# Altium PCB CBoard.PcbDoc
Units mm, origin at the board's own origin, x right, y up, seen from the top; angles counter-clockwise.
Board outline 90 x 60 mm, 2 copper layers (Top Layer, Bottom Layer); 65 components, 55 nets, 243 pads, 0 vias.
Unrouted connection lines stored in the file: 151.
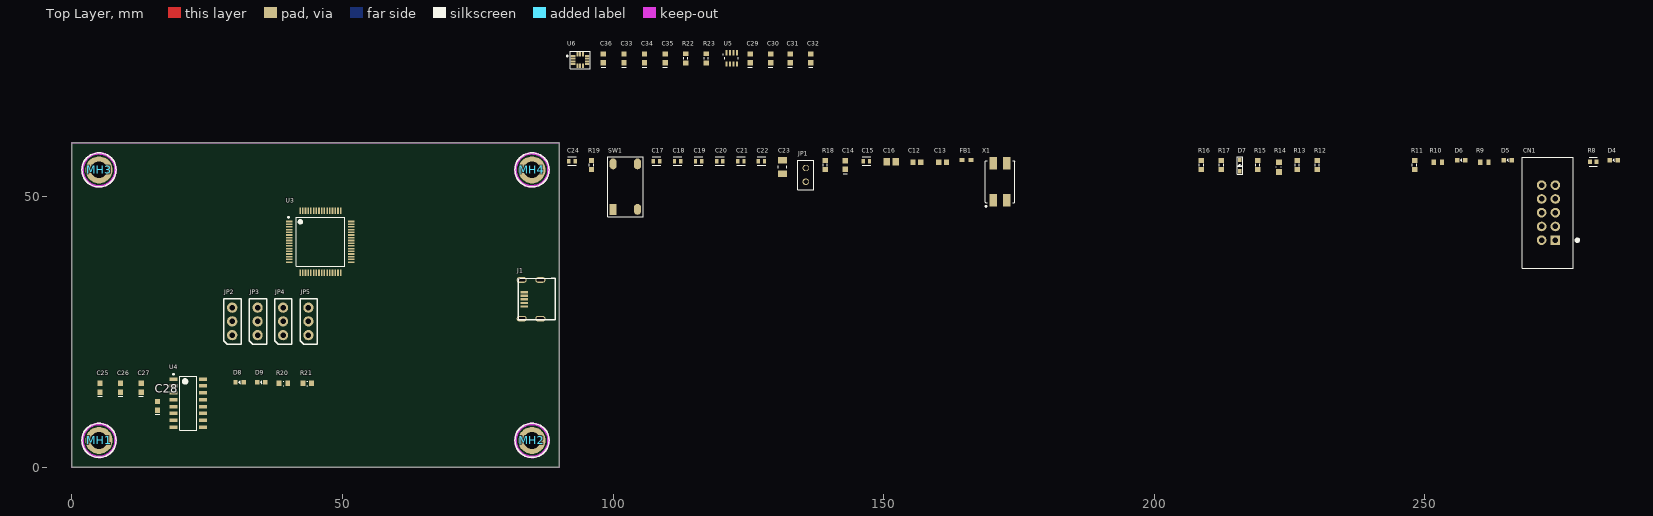
[diagram p0: Top Layer view]
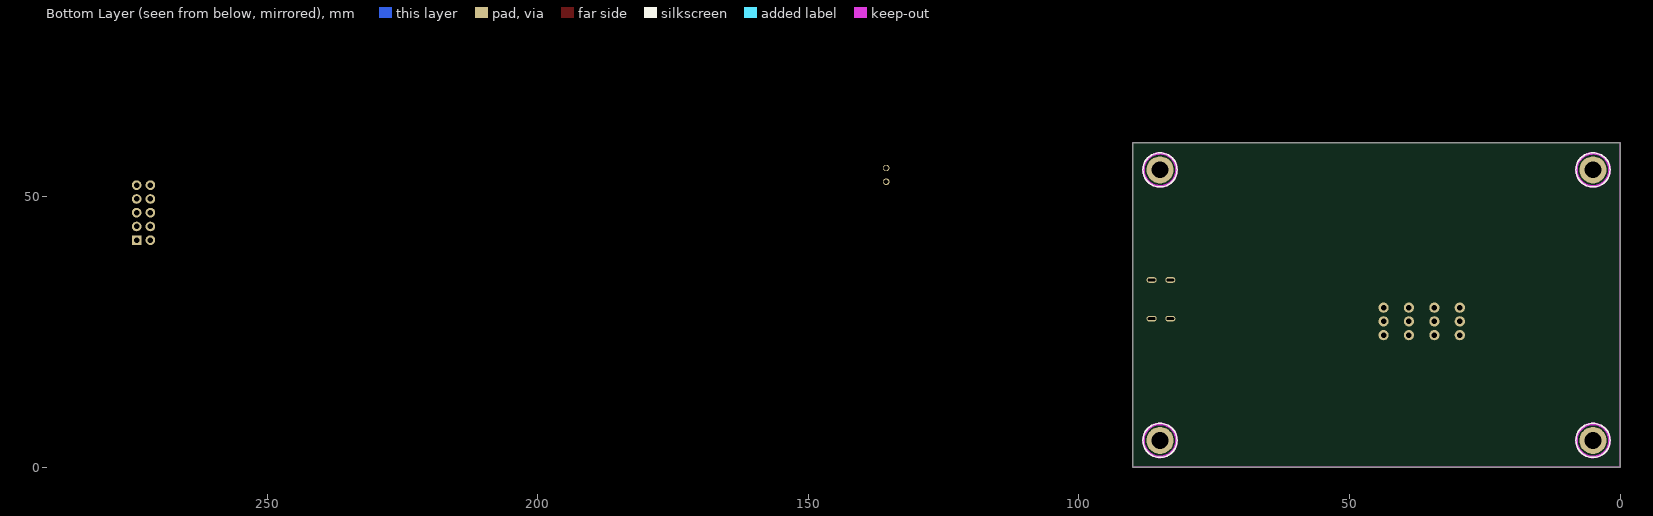
[diagram p1: Bottom Layer view, seen from below]

## Layer stack, top to bottom
Top Solder: solder mask 0.0102, Solder Resist, Dk 3.5
Top Layer: signal copper 0.0356
Dielectric 1: dielectric 0.32, FR-4, Dk 4.8
Bottom Layer: signal copper 0.0356
Bottom Solder: solder mask 0.0102, Solder Resist, Dk 3.5

## Board outline
0,0 90,0 90,60 0,60

## Design rules (kind name [scope] priority, off if disabled: settings)
Clearance [All] p1: gap=0.254 ignorepadtopadclearanceinfootprint=TRUE except(0: Arc-Hole Track-Hole SMDPad-Hole THPad-Hole Via-Hole Fill-Hole Poly-Hole Region-Hole Text-Hole)
PolygonConnect [All] p1: connectstyle=Relief reliefconductorwidth=0.254 reliefentries=4 polygonreliefangle="90 Angle" airgapwidth=0.254
RoomDefinition Sensors [InComponentClass('Sensors')] p1: confinementstyle=ConfineIn formatcopy=TRUE lockcomponents=FALSE outline 91.1,72.7 138.4,72.7 138.4,79.1 91.1,79.1
RoomDefinition External [InComponentClass('External')] p2: confinementstyle=ConfineIn formatcopy=TRUE lockcomponents=FALSE outline 91.1,116 115.1,116 115.1,133 91.1,133
RoomDefinition Communication [InComponentClass('Communication')] p3: confinementstyle=ConfineIn formatcopy=TRUE lockcomponents=FALSE outline 91.1,104.1 141.8,104.1 141.8,114.7 91.1,114.7
RoomDefinition Micro [InComponentClass('Micro')] p4: confinementstyle=ConfineIn formatcopy=TRUE lockcomponents=FALSE outline 91.1,36.6 286.399,36.6 286.399,59.4 91.1,59.4
RoutingVias [All] p1: holewidth=0.711 width=1.27 viastyle="Through Hole" minholewidth=0.711 minwidth=1.27 maxholewidth=0.711 maxwidth=1.27
SolderMaskExpansion [All] p1: expansion=0.102 istentingtop=FALSE
Width [All] p1: maxlimit=0.254 minlimit=0.254 preferedwidth=0.254
30 further rules are at their usual default settings.

## Classes and differential pairs
net class Motor_Reset[1..4]: Motor_Reset1 Motor_Reset2 Motor_Reset3 Motor_Reset4
net class Motor_Alert[1..4]: Motor_Alert1 Motor_Alert2 Motor_Alert3 Motor_Alert4
net class Motor_ADC[1..4]: Motor_ADC1 Motor_ADC2 Motor_ADC3 Motor_ADC4
component class Sensors: C29 C30 C31 C32 C33 C34 C35 C36 R22 R23 U5 U6
component class Micro: C12 C13 C14 C15 C16 C17 C18 C19 C20 C21 C22 C23 C24 CN1 D4 D5 D6 D7 FB1 JP1 MH1 MH2 MH3 MH4 R8 R9 R10 R11 R12 R13 R14 R15 R16 R17 R18 R19 SW1 U3 X1
component class External: J1 JP2 JP3 JP4 JP5
component class Communication: C25 C26 C27 C28 D8 D9 R20 R21 U4

## Components (designator, comment, footprint, x,y, rotation, side; value= is the part's Value field where it differs from the comment)
C12 "16pF Ceramic 50V 5% 0603" CAPC1608X90X35ML10T15 156.1,56.4 r0 top
C13 "16pF Ceramic 50V 5% 0603" CAPC1608X90X35ML10T15 160.9,56.4 r0 top
C14 "2.2uF, 50V" "CAPC1608N(0603\")" 142.9,55.9 r90 top value=2.2µF
C15 "CL10B104JB8NNNC" FP-CL10-0_1-MFG 146.8,56.6 r0 top
C16 "CL21B105KBFNNNG" "0803 CAP" 151.4,56.5 r0 top
C17 "CL10B104JB8NNNC" FP-CL10-0_1-MFG 108,56.6 r0 top
C18 "CL10B104JB8NNNC" FP-CL10-0_1-MFG 111.9,56.6 r0 top
C19 "CL10B104JB8NNNC" FP-CL10-0_1-MFG 115.8,56.6 r0 top
C20 "CL10B104JB8NNNC" FP-CL10-0_1-MFG 119.7,56.6 r0 top
C21 "CL10B104JB8NNNC" FP-CL10-0_1-MFG 123.6,56.6 r0 top
C22 "CL10B104JB8NNNC" FP-CL10-0_1-MFG 127.4,56.6 r0 top
C23 "50V 10uF" CAPC3216X180X50LL20T30 131.3,55.5 r90 top
C24 "CL10B104JB8NNNC" FP-CL10-0_1-MFG 92.4,56.6 r0 top
C25 "0.1uF 16V 0603 SMD, Ceramic" "CAPC1608N(0603\")" 5.175,14.735 r90 top value=10µF
C26 "0.1uF 16V 0603 SMD, Ceramic" "CAPC1608N(0603\")" 8.975,14.735 r90 top value=0.1µF
C27 "1uF 50V 0603 SMD, Ceramic" "CAPC1608N(0603\")" 12.775,14.735 r90 top value=1µF
C28 "0.1uF 16V 0603 SMD, Ceramic" "CAPC1608N(0603\")" 15.8,11.4 r90 top value=0.1µF
C29 "1uF 25V 0603 SMD, Ceramic" "CAPC1608N(0603\")" 125.3,75.6 r90 top value=1µF
C30 "0.1uF, 50V, 10%, X7R, 0603" "CAPC1608N(0603\")" 129.1,75.6 r90 top
C31 "10 nF, 50V 0603 SMD, Ceramic" "CAPC1608N(0603\")" 132.7,75.6 r90 top value=10nF
C32 "1nF, Ceramic, 50V, +-1%, SMD, NP0" "CAPC1608N(0603\")" 136.5,75.6 r90 top value=1nF
C33 "0.1uF, 50V, 10%, X7R, 0603" "CAPC1608N(0603\")" 102,75.6 r90 top
C34 "0.1uF, 50V, 10%, X7R, 0603" "CAPC1608N(0603\")" 105.8,75.6 r90 top
C35 "10 nF, 50V 0603 SMD, Ceramic" "CAPC1608N(0603\")" 109.6,75.6 r90 top value=10nF
C36 "1uF 25V 0603 SMD, Ceramic" "CAPC1608N(0603\")" 98.2,75.6 r90 top value=1µF
CN1 "ST Debug Header 10-pin THT" "10-pin shrouded header THT" 274.099,42 r90 top
D4 "Red" FP-LB_Q39E-MFG 284.899,56.8 r0 top
D5 "Blue" FP-LB_Q39E-MFG 265.299,56.8 r0 top
D6 "Green" FP-LB_Q39E-MFG 256.699,56.8 r0 top
D7 "CUS08F30,H3F" SC-76 215.8,55.8 r90 top
D8 "LT Q39G-Q1OO-25-1" FP-LB_Q39E-MFG 30.975,15.735 r0 top
D9 "LSQ976-NR-1" FP-LB_Q39E-MFG 34.975,15.735 r0 top
FB1 "BLM18AG601SN1D" MURA-BLM18-F-H1-CHIP-2_V 165.3,56.8 r0 top
J1 "USB - Micro B Female SMD" "Edge Connector" 83.6,31.075 r90 top
JP1 "1x2 Male Header" "2X1 Males Header" 135.6,52.8 r90 top
JP2 "1x3 Male Jumper" "Header, Male, 1x3, Pitch: 0.1\" (2.54mm),THT" 29.6,27 r90 top
JP3 "1x3 Male Jumper" "Header, Male, 1x3, Pitch: 0.1\" (2.54mm),THT" 34.3,27 r90 top
JP4 "1x3 Male Jumper" "Header, Male, 1x3, Pitch: 0.1\" (2.54mm),THT" 39,27 r90 top
JP5 "1x3 Male Jumper" "Header, Male, 1x3, Pitch: 0.1\" (2.54mm),THT" 43.7,27 r90 top
MH1 "Mount_Hole_3mm" Mount-Hole_3mm 5,5 r0 top locked
MH2 "Mount_Hole_3mm" Mount-Hole_3mm 85,5 r0 top locked
MH3 "Mount_Hole_3mm" Mount-Hole_3mm 5,55 r0 top locked
MH4 "Mount_Hole_3mm" Mount-Hole_3mm 85,55 r0 top locked
R8 "CRCW0603330RFKEA" FP-CRCW0603-e3-IPC_C 281.099,56.5 r0 top
R9 "RC0603FR-07110RL" RESC1608X55X25ML10T15 260.999,56.4 r0 top
R10 "RC0603FR-07110RL" RESC1608X55X25ML10T15 252.399,56.4 r0 top
R11 "10kR" "RESC1608N(0603\")" 248.099,55.9 r90 top value=10k
R12 "10kR" "RESC1608N(0603\")" 230.099,55.9 r90 top value=10k
R13 "10kR" "RESC1608N(0603\")" 226.399,55.9 r90 top value=10k
R14 "169kR, 1%, 1/10W, 0603" RESC0603(1608)_M 223,55.5 r90 top
R15 "34kR, 1%, 1/10W, 0603" "RESC1608N(0603\")" 219.1,55.9 r90 top
R16 "100kR, 1%, 1/10W, 0603 SMD" "RESC1608N(0603\")" 208.7,55.9 r90 top value=100k
R17 "100kR, 1%, 1/10W, 0603 SMD" "RESC1608N(0603\")" 212.4,55.9 r90 top value=100k
R18 "10kR" "RESC1608N(0603\")" 139.2,55.9 r90 top value=10k
R19 "10kR" "RESC1608N(0603\")" 96,55.9 r90 top value=10k
R20 "RC0603FR-07750RL" RESC0603(1608)_N 39.075,15.535 r0 top
R21 "RC0603FR-07750RL" RESC0603(1608)_N 43.475,15.535 r0 top
R22 "4.7kR, 1%, 1/8W, 0603 SMD" "RESC1608N(0603\")" 113.4,75.6 r90 top value=4.7k
R23 "4.7kR, 1%, 1/8W, 0603 SMD" "RESC1608N(0603\")" 117.2,75.6 r90 top value=4.7k
SW1 "PTS645SL43SMTR92LFS" 4-SPST-NO 100,47.9 r90 top
U3 "STM32F413RGT6" FP-LQFP64-5W-MFG 45.9,41.7 r0 top
U4 "WCH-CH340G" SOP127P600X175-16N 21.5,11.9 r0 top
U5 "BMP280 Barometric Pressure Sensor" BOSC-LGA-8_V 121.9,75.6 r0 top
U6 "LSM6DSMTR, Accelerometer/Gyroscope, LGA-14" FP-LGA-14L-DM00249496-MFG 93.9,75.3 r0 top
X1 "CRYSTAL 8.0MHZ 16PF SMD" QFN250P750X520X140_HS-5M 171.5,52.8 r90 top

## Footprints (in the part's own frame and the unit in brackets; to place one, negate y for a bottom-side part, rotate by r counter-clockwise, add the part's x,y. Pads: shape width x height; smd on the part's side, far side on the other; paste and mask are expansions set on the pad)
"2X1 Males Header" [mm]
  round 1.2 hole 0.9: 1(0,0) 2(2.54,0)
  silkscreen extent -1.5,-1.5 4,1.5, body extent -1.27,-1.24 3.81,1.25, height 8.54
4-SPST-NO [mm]
  rect 2x1.3 smd: 1(-0.2,0)
  oval 2x1.3 smd: 2(8.2,0) 3(-0.2,-4.5) 4(8.2,-4.5)
  silkscreen extent -1.52,-5.59 9.53,1.02, body extent -0.56,-5.29 8.44,0.71, height 5
"10-pin shrouded header THT" [mil]
  rect 70x70 hole 40: 1(0,0)
  round 70 hole 40: 2(100,0) 3(200,0) 4(300,0) 5(400,0) 6(0,100) 7(100,100) 8(200,100) 9(300,100) 10(400,100)
  silkscreen extent -205,-170 605,240, body extent -198,-124 598,234, height 358
"0803 CAP" [mm] "Chip Capacitor, 2-Leads, Body 2.00x1.25mm, IPC Medium Density"
  rect 1.2x1.4 smd: 1(-0.85,0) 2(0.85,0)
  body extent -1.05,-0.67 1.05,0.67, height 1.25
BOSC-LGA-8_V [mm] "LGA, 8-Leads, Body 2.5x2mm, Pitch 0.65mm"
  rect 0.35x1 smd: 1(-0.975,1.05) 2(-0.325,1.05) 3(0.325,1.05) 4(0.975,1.05) 5(0.975,-1.05) 6(0.325,-1.05) 7(-0.325,-1.05) 8(-0.975,-1.05)
  silkscreen extent -1.64,-0.16 1.25,0.79, body extent -1.25,-1 1.25,1, height 1
"CAPC1608N(0603\")" [mm] "Chip Capacitor, Body 1.6x0.8mm (0603\"), IPC Medium Density"
  rect 1x1 smd: 1(-0.8,0) 2(0.8,0)
  silkscreen extent -1.6,-0.4 -1.6,0.4, body extent -0.8,-0.4 0.8,0.4, height 0.9
CAPC1608X90X35ML10T15 [mm] "Chip Capacitor, 2-Leads, Body 1.60x0.80mm, IPC Low Density"
  rect 0.95x1.05 smd: 1(-0.725,0) 2(0.725,0)
  body extent -0.85,-0.45 0.85,0.45, height 0.9
CAPC3216X180X50LL20T30 [mm] "Chip Capacitor, 2-Leads, Body 3.4x1.8mm, IPC High Density"
  rect 1.2x1.7 smd: 1(-1.25,0) 2(1.25,0)
  silkscreen extent -0.25,-0.75 0.25,0.75, body extent -1.7,-0.9 1.7,0.9, height 1.8
"Edge Connector" [mm]
  rect 0.4x1.4 smd: 1(-1.3,0) 2(-0.65,0) 3(0,0) 4(0.65,0) 5(1.3,0)
  oval 1.05x1.85 hole 1.4 slot 0.45 at 0 deg: 6(-3.575,0.5) 7(-3.575,-2.95) 8(3.575,0.5) 9(3.575,-2.95)
  silkscreen extent -3.81,-5.71 3.94,1.14, body extent -4,-5.71 4,0.89, height 3.02
FP-CL10-0_1-MFG [mm]
  rect 0.625x0.825 smd paste+0 mask+0: 1(-0.575,0) 2(0.575,0)
  silkscreen extent -0.8,-0.79 0.8,0.79, body extent -0.99,-0.55 0.99,0.55, height 0.25
FP-CRCW0603-e3-IPC_C [mm]
  rect 0.735x0.862 smd paste+0 mask+0: 1(-0.615,0) 2(0.615,0)
  silkscreen extent -0.75,-0.85 0.75,0.85, body extent -1.08,-0.58 1.08,0.58, height 0.25
FP-LB_Q39E-MFG [mm]
  rect 0.8x0.8 smd paste+0 mask+0: 1(-0.75,0) 2(0.75,0)
  silkscreen extent -0.13,-0.25 0.13,0.25, body extent -1.25,-0.55 1.25,0.55, height 0.25
FP-LGA-14L-DM00249496-MFG [mil]
  rect 35x13.78 smd paste+0 mask+0: 1(-52,29.53) 2(-52,9.84) 3(-52,-9.84) 4(-52,-29.53) 8(52,-29.53) 9(52,-9.84) 10(52,9.84) 11(52,29.53)
  rect 13.78x35 smd paste+0 mask+0: 5(-19.69,-42) 6(0,-42) 7(19.68,-42) 12(19.68,42) 13(0,42) 14(-19.69,42)
  silkscreen extent -98,-62 72,62, body extent -81,-71 81,71, height 10
FP-LQFP64-5W-MFG [mm]
  rect 1.2x0.3 smd paste+0 mask+0: 1(-5.75,3.75) 2(-5.75,3.25) 3(-5.75,2.75) 4(-5.75,2.25) 5(-5.75,1.75) 6(-5.75,1.25) 7(-5.75,0.75) 8(-5.75,0.25) 9(-5.75,-0.25) 10(-5.75,-0.75) 11(-5.75,-1.25) 12(-5.75,-1.75) 13(-5.75,-2.25) 14(-5.75,-2.75) 15(-5.75,-3.25) 16(-5.75,-3.75) 33(5.75,-3.75) 34(5.75,-3.25) 35(5.75,-2.75) 36(5.75,-2.25) 37(5.75,-1.75) 38(5.75,-1.25) 39(5.75,-0.75) 40(5.75,-0.25) 41(5.75,0.25) 42(5.75,0.75) 43(5.75,1.25) 44(5.75,1.75) 45(5.75,2.25) 46(5.75,2.75) 47(5.75,3.25) 48(5.75,3.75)
  rect 0.3x1.2 smd paste+0 mask+0: 17(-3.75,-5.75) 18(-3.25,-5.75) 19(-2.75,-5.75) 20(-2.25,-5.75) 21(-1.75,-5.75) 22(-1.25,-5.75) 23(-0.75,-5.75) 24(-0.25,-5.75) 25(0.25,-5.75) 26(0.75,-5.75) 27(1.25,-5.75) 28(1.75,-5.75) 29(2.25,-5.75) 30(2.75,-5.75) 31(3.25,-5.75) 32(3.75,-5.75) 49(3.75,5.75) 50(3.25,5.75) 51(2.75,5.75) 52(2.25,5.75) 53(1.75,5.75) 54(1.25,5.75) 55(0.75,5.75) 56(0.25,5.75) 57(-0.25,5.75) 58(-0.75,5.75) 59(-1.25,5.75) 60(-1.75,5.75) 61(-2.25,5.75) 62(-2.75,5.75) 63(-3.25,5.75) 64(-3.75,5.75)
  silkscreen extent -6.02,-4.5 4.5,4.65, body extent -6.45,-6.45 6.45,6.45, height 0.25
"Header, Male, 1x3, Pitch: 0.1\" (2.54mm),THT" [mm]
  round 1.9 hole 1.016: 1(-2.54,0) 2(0,0) 3(2.54,0)
  silkscreen extent -4.19,-1.65 4.19,1.52, body extent -3.81,-1.27 3.81,1.27, height 9.5
Mount-Hole_3mm [mm]
  round 5 hole 3.1: 1(0,0)
  Keep-Out Layer circle w0.508: c0,0 r3.048
  silkscreen extent -3.15,-3.15 3.15,3.15, body extent -2.25,-2.6 2.25,2.6, height 4.19
MURA-BLM18-F-H1-CHIP-2_V [mm] "Chip Ferrite Bead, 2-Leads, Body 1.6x0.8mm, Height 0.95mm, Flow"
  rect 0.95x0.7 smd: 1(-0.825,0) 2(0.825,0)
  body extent -0.8,-0.4 0.8,0.4, height 0.95
QFN250P750X520X140_HS-5M [mm] "QFN, 4-Leads, Body 7.50x5.20mm, Pitch 2.50mm, Thermal Pad 4.10x1.10mm, IPC Low Density"
  rect 2.3x1.4 smd: 1(-3.4,1.25) 2(-3.4,-1.25) 3(3.4,-1.25) 4(3.4,1.25)
  silkscreen extent -4.67,-2.75 3.9,2.75, body extent -3.75,-2.6 3.75,2.6, height 1.4
RESC0603(1608)_M [mm] "Chip Resistor, Body 1.6x0.8mm, IPC Low Density"
  rect 1.1x1.1 smd: 1(-0.9,0) 2(0.9,0)
  silkscreen extent -0.05,-0.45 0.05,0.45, body extent -0.85,-0.47 0.85,0.47, height 0.6
RESC0603(1608)_N [mm] "Chip Resistor, Body 1.6x0.8mm, IPC Medium Density"
  rect 0.9x1 smd: 1(-0.8,0) 2(0.8,0)
  silkscreen extent -0.05,-0.4 0.05,0.4, body extent -0.85,-0.47 0.85,0.47, height 0.6
"RESC1608N(0603\")" [mm] "Chip Resistor, Body 1.6x0.8mm (0603\"), IPC Medium Density"
  rect 0.9x1 smd: 1(-0.85,0) 2(0.85,0)
  silkscreen extent -0.2,-0.4 0.2,0.4, body extent -0.77,-0.42 0.78,0.43, height 0.44
RESC1608X55X25ML10T15 [mm] "Chip Resistor, 2-Leads, Body 1.60x0.80mm, IPC Low Density"
  rect 0.8x1 smd: 1(-0.75,0) 2(0.75,0)
  body extent -0.85,-0.45 0.85,0.45, height 0.55
SC-76 [mm]
  rect 0.8x0.6 smd: A(-1.05,0) K(1.05,0)
  silkscreen extent -1.65,-0.5 1.65,0.5, body extent -1.25,-0.65 1.25,0.6, height 0.9
SOP127P600X175-16N [mm] "SOP, 16-Leads, Body 9.90x3.90mm, Pitch 1.27mm, IPC Medium Density"
  rect 1.45x0.65 smd: 1(-2.725,4.445) 2(-2.725,3.175) 3(-2.725,1.905) 4(-2.725,0.635) 5(-2.725,-0.635) 6(-2.725,-1.905) 7(-2.725,-3.175) 8(-2.725,-4.445) 9(2.725,-4.445) 10(2.725,-3.175) 11(2.725,-1.905) 12(2.725,-0.635) 13(2.725,0.635) 14(2.725,1.905) 15(2.725,3.175) 16(2.725,4.445)
  silkscreen extent -2.85,-5 1.6,5.44, body extent -2,-5 2,5, height 1.75

## Part data
C12 C13: library part CMP-00087-2, "Cap Ceramic 16pF 50V C0G 5% SMD 0603 125C Paper T/R", Capacitance=16pF, Case Code (Imperial)=0603, Case Code (Metric)=1608, Dielectric=C0G, Max Operating Temperature=125°C, Min Operating Temperature=-55°C, Package Quantity=1, Temperature Coefficient=30ppm/°C, Tolerance=5%, Voltage="16pF 50V", Voltage Rating=50V, Case/Package=0603, Depth=0.8mm, Height=0.8mm, Lead Free="Lead Free", Length=1.6mm, Mount="Surface Mount", Packaging="Tape and Reel", Radiation Hardening=No, Termination=SMD/SMT, Thickness=0.035inch, Voltage Rating (DC)=50V, Width=0.8mm
C14: library part CMP-006-0030-1, "Capacitor, Ceramic, 50V, 10%, 0603 SMD, X5R", Component Type=Standard, Design Item ID="2.2uF, 50V, 0603 SMD, X5R, Ceramic", PackageDescription="Chip Capacitor", Pin Count=2, Publisher=AUVic, Source=AUVic_Schematic_Library_Capacitors.SchLib
C15 C17 C18 C19 C20 C21 C22 C24: library part CMP-00000-3, "CAP CER 0.1UF 50V X7R 0603", Capacitance=0.1uF, Case Code (Imperial)=0603, Case Code (Metric)=1608, Dielectric=X7R, Max Operating Temperature=125°C, Min Operating Temperature=-55°C, Package Quantity=1, Tolerance=5%, Voltage=50V, Case/Package=0603, Contact Plating=Tin, Depth=0.8mm, Height=0.8mm, Length=1.6mm, Material=Ceramic, Mount="Surface Mount", Packaging="Tape and Reel", Radiation Hardening=No, Thickness=0.035inch, Voltage Rating=50V, Width=0.031inch
C16: library part CMP-00005-1, "SAMSUNG ELECTRO-MECHANICS - CL21B105KBFNNNG - MLCC CAPACITORS", Capacitance=1uF, Case Code (Imperial)=0805, Case Code (Metric)=2012, Dielectric=X7R, Max Operating Temperature=125°C, Min Operating Temperature=-55°C, Package Quantity=3000, Tolerance=10%, Voltage=50V, Case/Package=0805, Contact Plating=Tin, Depth=1.25mm, Length=2mm, Material=Ceramic, Mount="Surface Mount", Packaging="Tape and Reel", Termination=Wraparound, Thickness=0.053inch, Voltage Rating=50V, Width=0.049inch
C23: library part CMP-00004-1, "Cap Ceramic 10uF 50V X7R 10% Pad SMD 1206 125°C T/R", Capacitance=10uF, Case Code (Imperial)=1206, Case Code (Metric)=3216, Dielectric=X7R, Max Operating Temperature=125°C, Min Operating Temperature=-55°C, Tolerance=10%, Voltage Rating=50V, Case/Package=1206, Lead Free="Lead Free", Length=0.126inch, Mount="Surface Mount", Packaging="Tape and Reel", Thickness=0.071inch, Voltage Rating (DC)=50V, Width=0.063inch
C25 C26 C28: library part CMP-006-0005-1, "Capacitor, Ceramic, 16V, +/- 10%, 0603 SMD, X7R", Component Type=Standard, Created By="Andy Bates", Design Item ID="0.1uF 16V 0603 SMD, Ceramic", PackageDescription="Chip Capacitor", Pin Count=2, Published=16-04-26, Publisher=AUVic, Source=AUVic_Schematic_Library_Capacitors.SchLib
C27: library part CMP-006-0028-1, "Capacitor, Ceramic, 50V, +/- 10%, 0603 SMD, X5R", Component Type=Standard, Created By="Lyden Smith", Date Created=2017-10-26, Design Item ID="1uF 50V 0603 SMD, Ceramic", PackageDescription="Chip Capacitor", Pin Count=2, Source=AUVic_Schematic_Library_Capacitors.SchLib
C29 C36: library part CMP-006-0027-1, "Capacitor, Ceramic, 25V, +/- 10%, 0603 SMD, X5R", Component Type=Standard, Created By="Andy Bates", Design Item ID="1uF 25V 0603 SMD, Ceramic", MFG=Murata-Electronics-North-America, MFG#=GRM188R61E105KA12D, PackageDescription="Chip Capacitor", Pin Count=2, Published=16-06-27, Publisher=AUVic, Source=AUVic_Schematic_Library_Capacitors.SchLib
C30 C33 C34: library part CMP-006-0007-1, "0.1µF ±10% Ceramic Capacitor X7R 0603 (1608 Metric)", Capacitance=0.1µF, Operating Temperature="-55°C ~ 125°C", Package / Case="0603 (1608 Metric)", Component Type=Standard, ComponentLink1Description=Digi-Key, ComponentLink1URL=https://www.digikey.ca/product-detail/en/tdk-corporation/C1608X7R1H104M080AA/445-5098-1-ND/2093713, Created By="Poorna Chander Kalidas", Design Item ID="0.1uF, 50V, 10%, X7R, 0603", Mounting Type="Surface Mount, MLCC", Pin Count=2, Source=AUVic_Schematic_Library_Capacitors.SchLib
C31 C35: library part CMP-006-0010-1, "Capacitor, Ceramic, 50V, +/- 10%, 0603 SMD", Component Type=Standard, Created By=Gabriel, Design Item ID="10 nF, 50V 0603 SMD, Ceramic", MFG=Samsung, MFG#=GRM188R61A475KE15D, PackageDescription="Chip Capacitor", Pin Count=2, Published=16-06-23, Publisher=AUVic, Source=AUVic_Schematic_Library_Capacitors.SchLib
C32: library part CMP-006-0026-1, "Capacitor, Ceramic, 50V, +-1%, 0603 SMD, NP0", Component Type=Standard, Date Created=09/28/2016, Design Item ID="1nF, Ceramic, 50V, +-1%, SMD, NP0", Made By="Jordan Day", PackageDescription="Chip Capacitor", Pin Count=2, Publisher=AUVic, Source=AUVic_Schematic_Library_Capacitors.SchLib
CN1: library part CMP-00011-6, "CONN HEADER VERT 10POS 2.54MM", Color=Black, Package Quantity=1, Connector Type="Male Pin", Contact Plating=Gold, Lead Free="Lead Free", Mount="Through Hole", Number of Positions=10, Number of Rows=2, Packaging=Tray, Pitch=0.1inch, Row Spacing=0.1inch, Termination=Solder
D4: library part CMP-00066-2, "LED Red 645nm 2-Pin Chip 0603(1608Metric) T/R", Case Code (Imperial)=0603, Case Code (Metric)=1608, Forward Current=25mA, Forward Voltage=2.5V, Lens Color=White, Max Operating Temperature=85°C, Min Operating Temperature=-30°C, Package Quantity=1, Power Dissipation=65mW, Reverse Voltage=12V, Test Current=20mA, Case/Package=0603, Color=Red, Depth=0.9mm, Dominant Wavelength=633nm, Height=0.8mm, Illumination Color=Red, Length=1.7mm, Lens Size=0.8mm, Lens Style=Diffused,Flat,Colorless,Rectangular, Lens Transparency=Diffused, Luminous Flux=0.33lm, Luminous Intensity=180mcd, Mount="Surface Mount", Number of Elements=1, Number of LEDs=1, Number of Pins=2, Packaging="Tape and Reel", Radiation Hardening=No, Viewing Angle=160°, Width=0.8mm
D5: library part CMP-00063-3, "LED BLUE DIFFUSED 0603 SMD", Case Code (Imperial)=0603, Case Code (Metric)=1608, Forward Voltage=2.85V, Lens Color=White, Test Current=5mA, Case/Package=0603, Color=Blue, Dominant Wavelength=470nm, Height=0.4mm, Length=1.6mm, Lens Size=0.8mm, Lens Style=Flat,Diffused,Colorless,Rectangular, Lens Transparency=Diffused, Luminous Flux=0.13lm, Luminous Intensity=42mcd, Mount="Surface Mount", Number of LEDs=1, Number of Pins=2, Packaging="Tape and Reel", Radiation Hardening=No, Viewing Angle=130°, Width=0.8mm
D6: library part CMP-00064-3, "LED GREEN DIFFUSED 0603 SMD", Case/Package=SMD/SMT, Forward Current=15mA, Forward Voltage=2.85V, Max Operating Temperature=85°C, Min Operating Temperature=-40°C, Reverse Voltage=5V, Test Current=5mA, Color=Green, Depth=0.9mm, Dominant Wavelength=530nm, Length=1.7mm, Lens Style=Diffused,Colorless,Rectangular, Luminous Flux=0.55lm, Luminous Intensity=280mcd, Mount="Surface Mount", Number of Elements=1, Number of LEDs=1, Number of Pins=2, Packaging="Tape and Reel", Radiation Hardening=No
D7: library part CMP-057-0000-2, "Diode Schottky 30V 800mA Surface Mount USC", Average Rectified Current=800mA, Case/Package=SOD, Max Operating Temperature=125°C, Max Repetitive Reverse Voltage (Vrrm)=30V, Min Operating Temperature=-55°C, Peak Non-Repetitive Surge Current=5A, Peak Reverse Current=50uA, Contact Plating=Tin,Silver, Element Configuration=Single, Max Reverse Voltage (DC)=30V, Mount="Surface Mount", Number of Pins=2, Packaging="Tape and Reel"
D8: library part CMP-00064-3, "LED GREEN DIFFUSED 0603 SMD", Case/Package=SMD/SMT, Color=Green, Forward Current=15mA, Forward Voltage=2.85V, Max Operating Temperature=85°C, Min Operating Temperature=-40°C, Reverse Voltage=5V, Test Current=5mA, Depth=0.9mm, Dominant Wavelength=530nm, Length=1.7mm, Lens Style=Diffused,Colorless,Rectangular, Luminous Flux=0.55lm, Luminous Intensity=280mcd, Mount="Surface Mount", Number of Elements=1, Number of LEDs=1, Number of Pins=2, Packaging="Tape and Reel", Radiation Hardening=No
D9: library part CMP-00066-2, "LED Red 645nm 2-Pin Chip 0603(1608Metric) T/R", Case Code (Imperial)=0603, Case Code (Metric)=1608, Color=Red, Forward Current=25mA, Forward Voltage=2.5V, Lens Color=White, Max Operating Temperature=85°C, Min Operating Temperature=-30°C, Package Quantity=1, Power Dissipation=65mW, Reverse Voltage=12V, Test Current=20mA, Case/Package=0603, Depth=0.9mm, Dominant Wavelength=633nm, Height=0.8mm, Illumination Color=Red, Length=1.7mm, Lens Size=0.8mm, Lens Style=Diffused,Flat,Colorless,Rectangular, Lens Transparency=Diffused, Luminous Flux=0.33lm, Luminous Intensity=180mcd, Mount="Surface Mount", Number of Elements=1, Number of LEDs=1, Number of Pins=2, Packaging="Tape and Reel", Radiation Hardening=No, Viewing Angle=160°, Width=0.8mm
FB1: library part CMP-00016-1, "MURATA - BLM18AG601SN1D - Feritový Korálek, 0603 / 1608, 600 ohm, 500 mA, Série BLM18A, 0.38 ohm, ± 25%", Case Code (Imperial)=0603, Case Code (Metric)=1608, Current Rating=500mA, DC Resistance (DCR)=380mR, Frequency=100MHz, Max Operating Temperature=125°C, Min Operating Temperature=-55°C, Package Quantity=1, Tolerance=25%, Case/Package=0603, Core Material=Ferrite, DC Current=500mA, Depth=0.8mm, Height=0.8mm, Impedance=600R, Lead Free="Lead Free", Length=1.6mm, Material=Steel,Ferrite, Max Current Rating=500mA, Max DC Current=500mA, Military Standard=Not, Number of Circuits=1, Number of Lines=1, Number of Pins=2, Packaging="Tape and Reel", Radiation Hardening=No, REACH SVHC="No SVHC", Shielding=Unshielded, Termination=SMD/SMT, Test Frequency=100MHz, Weight=7.1E-05oz, Width=0.8mm
J1: library part CMP-00108-2, "USB - Micro B Female USB 2 5 SMD USB Connectors", LCSC Part Number=C319170, Created By="Miguel Manguerra"
JP1: library part CMP-004-0001-1, Component Type=Standard, Design Item ID="1x2 Male Header", Made By="Andy Bates", Pin Count=2, Source=AUVic_Schematic_Library_Connectors.SchLib
JP2 JP3 JP4 JP5: library part CMP-004-0002-1, Component Type=Standard, Design Item ID="1x3 Male Jumper", Made By="Poorna Chander Kalidas", Pin Count=3, Source=AUVic_Schematic_Library_Connectors.SchLib
MH1 MH2 MH3 MH4: library part CMP-004-0010-4, "Mounting hold for M3 hex standoff", Component Type=Standard, Design Item ID=Mount_Hole_3mm, Pin Count=1, Source=AUVic_Schematic_Library_Connectors.SchLib
R8: library part CMP-00067-2, "Res Thick Film 0603 330 Ohm 1% 0.1W(1/10W) +/-100ppm/ßC Pad SMD Automotive T/R", Case Code (Imperial)=0603, Case Code (Metric)=1608, Max Operating Temperature=155°C, Max Power Dissipation=100mW, Min Operating Temperature=-55°C, Package Quantity=10, Resistance=330R, Temperature Coefficient=100ppm/°C, Tolerance=1%, Voltage Rating=75V, Case/Package=0603, Composition="Thick Film", Contact Plating=Tin, Depth=0.85mm, Features="Automotive AEC-Q200", Height=0.45mm, Lead Free="Lead Free", Length=1.55mm, Military Standard=Not, Mount="Surface Mount", Number of Terminations=2, Packaging="Tape and Reel", Power Rating=100mW, Radiation Hardening=No, REACH SVHC=Unknown, Termination=SMD/SMT, Voltage Rating (DC)=75V, Weight=7.1E-05oz, Width=0.033inch
R9 R10: library part CMP-00069-1, "RES SMD 110 OHM 1% 1/10W 0603", Case Code (Imperial)=0603, Case Code (Metric)=1608, Max Operating Temperature=155°C, Max Power Dissipation=100mW, Min Operating Temperature=-55°C, Package Quantity=1, Resistance=110R, Temperature Coefficient=100ppm/°C, Tolerance=1%, Voltage Rating=50V, Working Voltage=75V, Case/Package=0603, Composition="Thick Film", Depth=0.8mm, Features="Moisture Resistant", Height=0.022inch, Lead Free="Lead Free", Length=1.6mm, Military Standard=Not, Number of Terminations=2, Packaging="Tape and Reel", Power Rating=100mW, Termination=SMD/SMT, Voltage Rating (DC)=50V, Width=0.031inch
R11 R12 R13 R18 R19: library part CMP-047-0013-1, "10kR, 1%, 1/10W, 0603 SMD", Component Type=Standard, Created On=14-05-31, Design Item ID=10kR, Last Edited=14-05-31, Made By="Ashwin Sira", Owned By=AUVic, Pin Count=2, Source=AUVic_Schematic_Library_Resistors.SchLib
R14: library part CMP-00096-2, "RES 169K OHM 1% 1/10W 0603", Case Code (Imperial)=0603, Case Code (Metric)=1608, Max Operating Temperature=155°C, Max Power Dissipation=100mW, Min Operating Temperature=-55°C, Resistance=169kR, Resistor Type="Thick Film", Temperature Coefficient=100ppm/°C, Tolerance=1%, Case/Package=0603, Contact Plating=Tin,Matte, Features="Automotive AEC-Q200", Height=0.022inch, Lead Free="Lead Free", Length=0.061inch, Mount="Surface Mount", Number of Terminations=2, Packaging="Tape and Reel", Power Rating=100mW, Radiation Hardening=No, Width=0.031inch
R15: library part CMP-047-0046-1, "RES 34K OHM 1/10W 1% 0603 SMD", Manufacturer=Yageo, Manufacturer Part Number=RC0603FR-0734KL, Operating Temperature="-55°C ~ 155°C", Package / Case="0603 (1608 Metric)", Power (Watts)="0.1W, 1/10W", Resistance=34k, Supplier Device Package=0603, Temperature Coefficient=±100ppm/°C, Tolerance=±1%, Category=Resistors, Component Type=Standard, ComponentLink1Description=http://www.yageo.com/documents/recent/PYu-RC0603_51_RoHS_L_4.pdf, ComponentLink1URL=http://www.yageo.com/documents/recent/PYu-RC0603_51_RoHS_L_4.pdf, Composition="Thick Film", Design Item ID="34kR, 1%, 1/10W, 0603", Features="Moisture Resistant", Height="0.022\" (0.55mm)", Number of Terminations=2, Packaging="Cut Tape (CT)", Pin Count=2, Pricing 1="1=0.1, 10=0.015, 25=0.0108, 100=0.006, 250=0.00456, 500=0.00364, 1000=0.00268, 2500=0.00233 (USD)", RoHS="RoHS Compliant", Size / Dimension="0.063\" L x 0.031\" W (1.60mm x 0.80mm)", Source=AUVic_Schematic_Library_Resistors.SchLib, Stock 1=192
R16 R17: library part CMP-047-0010-1, Component Type=Standard, Created On=14-06-30, Design Item ID="100kR, 1%, 1/10W, 0603 SMD", Last Edited=14-06-30, Made By="Andy Bates", Owned By=AUVic, Pin Count=2, Source=AUVic_Schematic_Library_Resistors.SchLib
R20: library part CMP-00070-1, "Res Thick Film 0603 750 Ohm 1% 0.1W(1/10W) ±100ppm/C Epoxy SMD T/R", Case Code (Imperial)=0603, Case Code (Metric)=1608, Max Operating Temperature=155°C, Max Power Dissipation=100mW, Min Operating Temperature=-55°C, Package Quantity=1, Resistance=500R, Temperature Coefficient=100ppm/°C, Tolerance=1%, Voltage Rating=50V, Case/Package=0603, Composition="Thick Film", Depth=0.8mm, Features="Moisture Resistant", Height=0.022inch, Lead Free="Lead Free", Length=1.6mm, Military Standard=Not, Number of Terminations=2, Packaging="Tape and Reel", Power Rating=100mW, Termination=SMD/SMT, Voltage Rating (DC)=50V, Width=0.031inch
R21: library part CMP-00070-1, "Res Thick Film 0603 750 Ohm 1% 0.1W(1/10W) ±100ppm/C Epoxy SMD T/R", Case Code (Imperial)=0603, Case Code (Metric)=1608, Max Operating Temperature=155°C, Max Power Dissipation=100mW, Min Operating Temperature=-55°C, Package Quantity=1, Resistance=750R, Temperature Coefficient=100ppm/°C, Tolerance=1%, Voltage Rating=50V, Case/Package=0603, Composition="Thick Film", Depth=0.8mm, Features="Moisture Resistant", Height=0.022inch, Lead Free="Lead Free", Length=1.6mm, Military Standard=Not, Number of Terminations=2, Packaging="Tape and Reel", Power Rating=100mW, Termination=SMD/SMT, Voltage Rating (DC)=50V, Width=0.031inch
R22 R23: library part CMP-047-0049-1, Component Type=Standard, Created On=14-05-31, Design Item ID="4.7kR, 1%, 1/8W, 0603 SMD", Last Edited=14-05-31, Made By="Ashwin Sira", Owned By=AUVic, Pin Count=2, Source=AUVic_Schematic_Library_Resistors.SchLib
SW1: library part CMP-00077-1, "Black Switch Tactile N.O. SPST Round Button Gull Wing 0.05A 12VDC 100000Cycles 1.27N SMD T/R", Button Colour=Black, Contact Resistance=100mR, Current Rating=50mA, Max Operating Temperature=60°C, Max Voltage Rating (DC)=12V, Min Operating Temperature=-20°C, Operating Force=1.27N, Package Quantity=1000, Actuator Length=0.85mm, Actuator Material=Nylon,Polyamide, Actuator Type=Standard, Color=Black, Contact Material=Bronze,Brass,Silver, Contact Plating=Silver, Depth=9mm, Illumination Type=Non-Illuminated, Lead Free="Lead Free", Length=6mm, Max Current Rating=50mA, Mechanical Life=100000Cycles, Mount="Surface Mount", Orientation=Straight, Packaging="Tape and Reel", Switch Function=Off-Mom, Termination="Gull Wing", Throw Configuration=SPST, Voltage Rating (DC)=12V
U3: library part CMP-00006-1, "STMICROELECTRONICS - STM32F413RGT6 - MCU, ARM CORTEX-M4, 100MHZ, LQFP-64", Case/Package=LQFP, Frequency=100MHz, Max Operating Temperature=85°C, Min Operating Temperature=-40°C, Core Architecture=ARM, Interface=I2C,SPI,USB,IrDA,MMC,SDIO,UART,USART, Memory Size=1MB, Memory Type=FLASH, Number of I/Os=50, Oscillator Type=Internal, Packaging=Tray, Peripherals="Brown-out Detect/Reset,POR,PWM,WDT,DMA,LCD"
U4: library part CMP-031-0001-1, "USB to UART Transceiver. USB 2.0 2Mbps. LCSC #C14267", LCSC Part Number=C14267
U5: library part CMP-00103-3, "BMP280 Absolute Barometric Pressure Sensor for Battery Powered Devices 2 x 2.5mm", Case/Package=SMD/SMT, Max Operating Temperature=85°C, Min Operating Temperature=-40°C, Operating Pressure=15.95PSI, Lead Free="Lead Free", Max Pressure=290.08PSI, Number of Pins=8, Output Type=SPI,I2C, Port Style="No Port", Pressure Type=Absolute, Termination=SMD/SMT
U6: library part CMP-00100-1, "IMU ACCEL/GYRO I2C/SPI 14LGA", Case/Package=LGA, Max Supply Voltage=3.6V, Min Supply Voltage=1.71V, Number of Pins=14, Packaging="Cut Tape", REACH SVHC="No SVHC"
X1: library part CMP-00079-2, "8MHz ±30ppm Crystal 16pF 80 Ohms 4-SMD, No Lead", Case/Package=CSMD, ESR (Equivalent Series Resistance)=80R, Frequency=8MHz, Frequency Stability=50ppm, Load Capacitance=16pF, Max Operating Temperature=70°C, Min Operating Temperature=-20°C, Depth=5.2mm, Length=7.5mm, Number of Pins=4, Packaging="Tape and Reel"

## Nets (pads, with @x,y where several pads share a name; then routed paths per layer and width w, separated by ;. In a path a pad name is that pad's centre, name@x,y a point inside that pad or via, vN(x,y) a via of type N, cw(c..) or ccw(c..) an arc to the next point about the centre after c; other vN are vias at no path point)
3V3: C17.1 C18.1 C19.1 C20.1 C21.1 C22.1 C23.1 C25.2 C26.2 C27.2 C29.2 C30.2 C31.2 C32.2 C33.1 C34.1 C35.2 C36.2 CN1.2 FB1.1 JP1.1 R12.1 R13.1 R18.1 R20.1 R21.2 R22.2 R23.2 U3.19 U3.32 U3.48 U3.64 U4.16 U5.2 U5.6 U5.8 U6.5 U6.8 U6.12
5V: D7.K JP2.2 JP3.2 JP4.2 JP5.2
5V_DEBUG: CN1.1 D7.A
blue: R9.1 U3.27
BOOT0: JP1.2 R19.1 U3.60
Cell1: R15.2
Cell2: R14.2
Cell_ADC_1: R15.1 R16.2 U3.24
Cell_ADC_2: R14.1 R17.2 U3.25
GND: C12.1 C13.1 C14.2 C15.2 C16.2 C17.2 C18.2 C19.2 C20.2 C21.2 C22.2 C23.2 C24.2 C25.1 C26.1 C27.1 C28.1 C29.1 C30.1 C31.1 C32.1 C33.2 C34.2 C35.1 C36.1 CN1.5 CN1.10 D4.1 D5.1 D6.1 J1.5 J1.6 J1.7 J1.8 J1.9 JP2.3 JP3.3 JP4.3 JP5.3 R11.1 R16.1 R17.1 R19.2 SW1.3 SW1.4 U3.12 U3.18 U3.31 U3.47 U3.63 U4.1 U5.1 U5.5 U5.7 U6.1 U6.2 U6.3 U6.6 U6.7 X1.2 X1.4
green: R10.1 U3.26
Motor_ADC1: U3.20
Motor_ADC2: U3.21
Motor_ADC3: U3.22
Motor_ADC4: U3.23
Motor_Alert1: U3.41
Motor_Alert2: U3.42
Motor_Alert3: U3.43
Motor_Alert4: U3.44
Motor_Reset1: U3.8
Motor_Reset2: U3.9
Motor_Reset3: U3.10
Motor_Reset4: U3.11
NetC28_2: C28.2 U4.4
NetD4_2: D4.2 R8.2
NetD5_2: D5.2 R9.2
NetD6_2: D6.2 R10.2
NetD8_2: D8.2 R20.2
NetD9_2: D9.2 R21.1
NetJ1_2: J1.2 U4.6
NetJ1_3: J1.3 U4.5
NetJP2_1: JP2.1 U3.14
NetJP3_1: JP3.1 U3.15
NetJP4_1: JP4.1 U3.16
NetJP5_1: JP5.1 U3.17
NetR22_1: R22.1 U3.59
NetR23_1: R23.1 U3.58
NetU3_37: U3.37 U4.2
NetU3_38: U3.38 U4.3
NetU3_50: U3.50
NRST: C24.1 CN1.8 R18.2 SW1.1 SW1.2 U3.7
OSC_IN: C13.2 U3.5 X1.3
OSC_OUT: C12.2 U3.6 X1.1
red: R8.1 U3.28
RX1: CN1.4 U3.33
RX2: D8.1
SCL: U5.4 U6.13
SDA: U5.3 U6.14
SWCLK: CN1.6 R11.2 U3.49
SWDIO: CN1.7 R12.2 U3.46
SWO: CN1.9 R13.2 U3.55
TX1: CN1.3 U3.34
TX2: D9.1
VCAP1: C14.1 U3.30
VREF+: C15.1 C16.1 FB1.2 U3.13
pads on no net: J1.1 J1.4 MH1.1 MH2.1 MH3.1 MH4.1 U3.1 U3.2 U3.3 U3.4 U3.29 U3.35 U3.36 U3.39 U3.40 U3.45 U3.51 U3.52 U3.53 U3.54 U3.56 U3.57 U3.61 U3.62 U4.7 U4.8 U4.9 U4.10 U4.11 U4.12 U4.13 U4.14 U4.15 U6.4 U6.9 U6.10 U6.11

## Keep-outs
Keep-Out Layer:
  lines w0.152: 90,0 0,0 0,60 90,60

## Text inside footprints (layer, text, board x,y; h text height)
FB1: Mechanical 6 "Land Pattern Adapted for Flow Soldering" at 164.3,57.4 h0.05